# KiCad board helios-panel.kicad_pcb
title: Helios; date: 2022-09-17; rev: rev1.0; company: 0xCB; note: Conor Burns
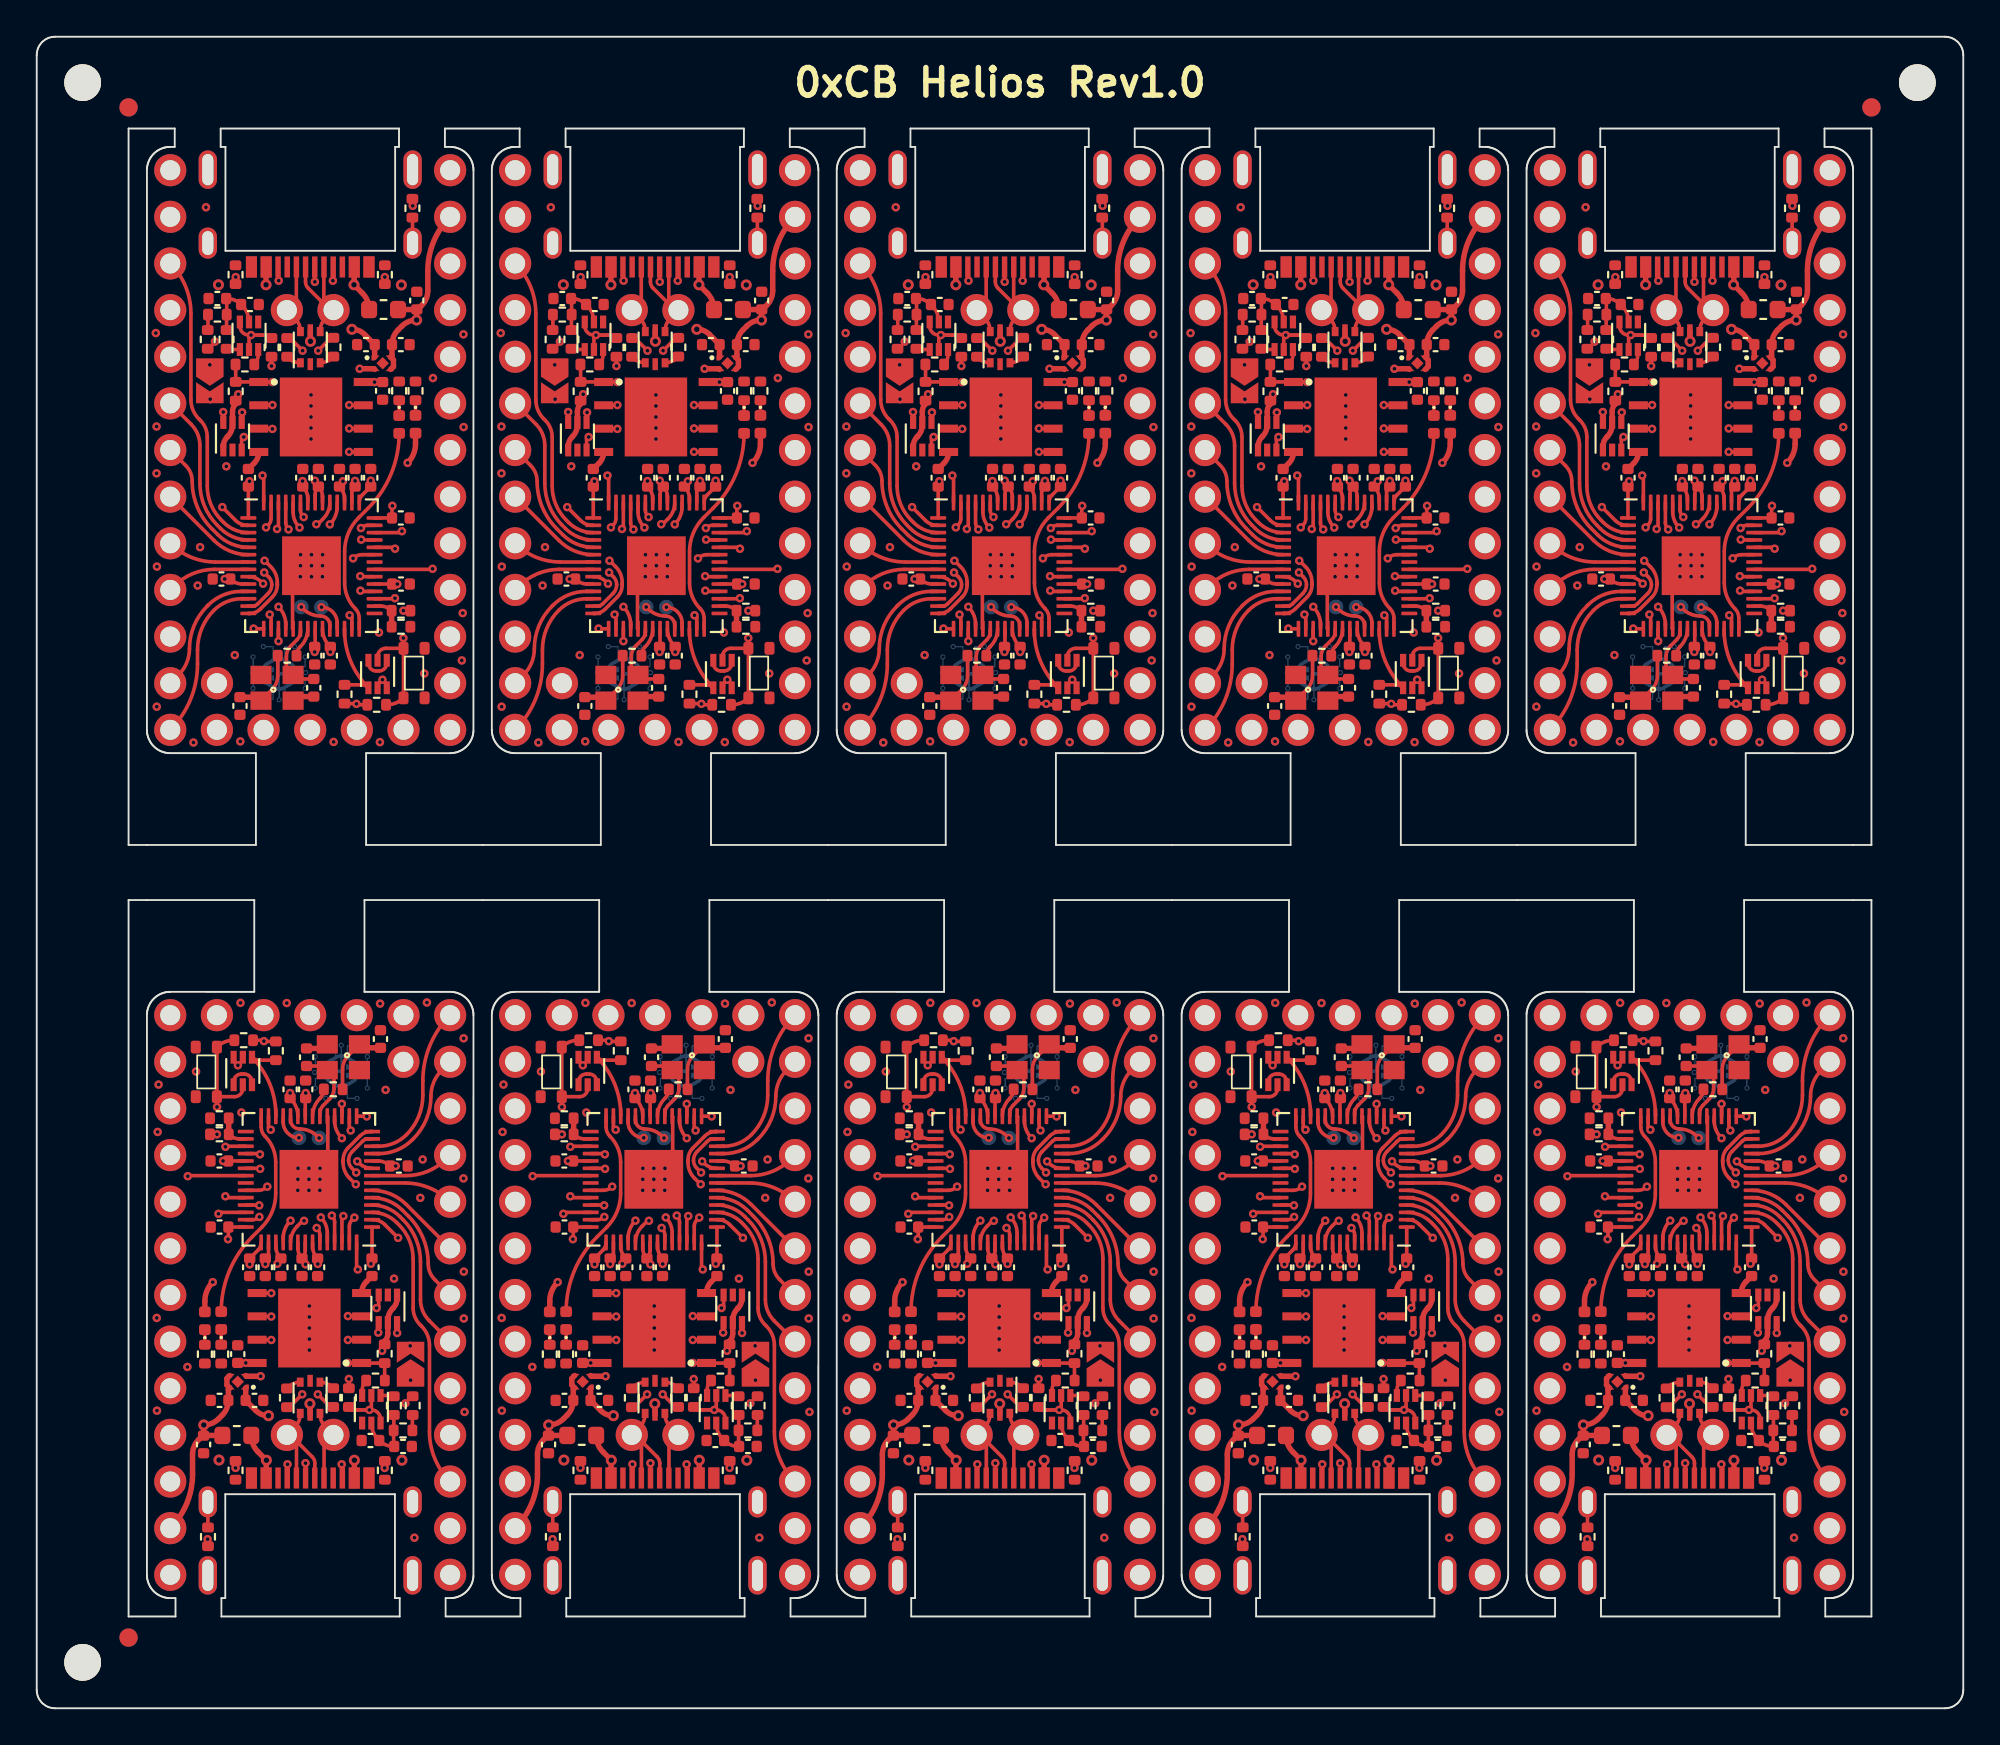
[diagram p0: board, top side]
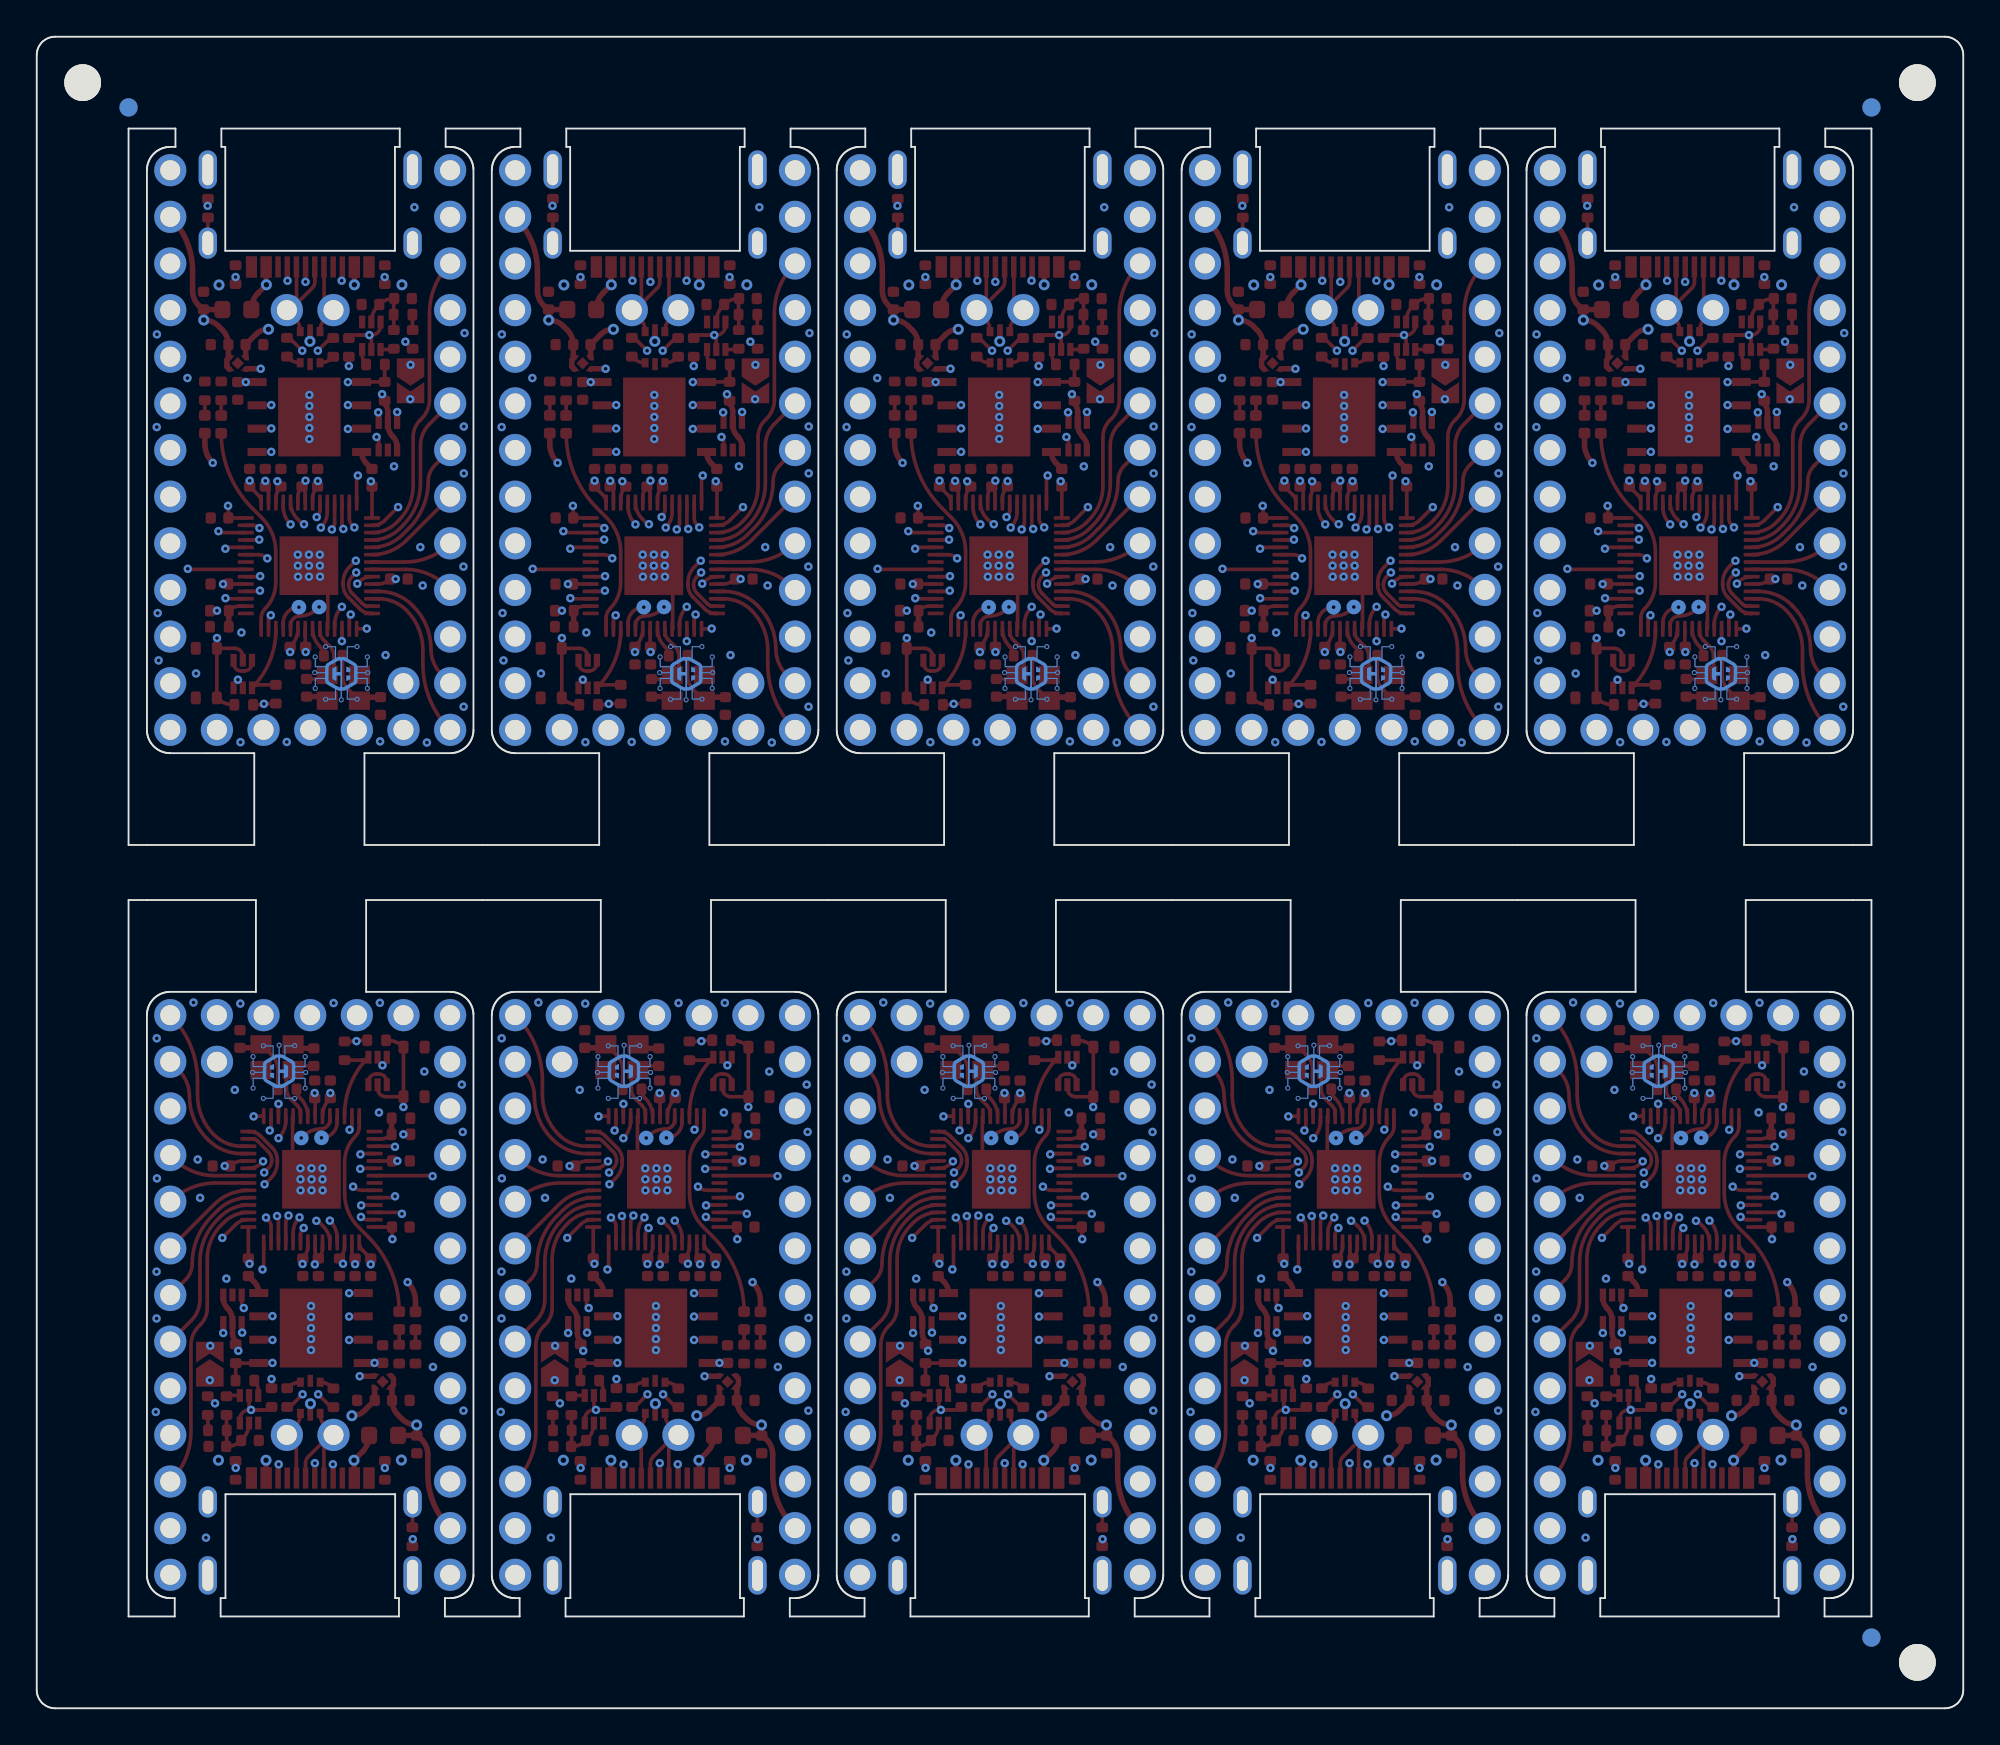
[diagram p1: board, bottom side, seen from below]

Outline 104.9 x 91.04 mm; copper layers: Top, In1.Cu, In2.Cu, Bottom. Coordinates in mm from the lower left corner of the outline.
Outline path: 0,90.04 0,1 0,0.9 0.02,0.8 0.04,0.71 0.08,0.62 0.12,0.53 0.17,0.44 0.23,0.37 0.29,0.29 0.37,0.23 0.44,0.17 0.53,0.12 0.62,0.08 0.71,0.04 0.8,0.02 0.9,0 1,0 103.9,0 104,0 104.1,0.02 104.19,0.04 104.28,0.08 104.37,0.12 104.46,0.17 104.53,0.23 104.61,0.29 104.67,0.37 104.73,0.44 104.78,0.53 104.82,0.62 104.86,0.71 104.88,0.8 104.9,0.9 104.9,1 104.9,90.04 104.9,90.14 104.88,90.24 104.86,90.33 104.82,90.42 104.78,90.51 104.73,90.6 104.67,90.67 104.61,90.75 104.53,90.81 104.46,90.87 104.37,90.92 104.28,90.96 104.19,91 104.1,91.02 104,91.04 103.9,91.04 1,91.04 0.9,91.04 0.8,91.02 0.71,91 0.62,90.96 0.53,90.92 0.44,90.87 0.37,90.81 0.29,90.75 0.23,90.67 0.17,90.6 0.12,90.51 0.08,90.42 0.04,90.33 0.02,90.24 0,90.14 0,90.04 ; 5,86.04 7.52,86.04 7.52,85.04 7.27,85.04 7.21,85.04 7.14,85.03 7.08,85.03 7.01,85.01 6.95,85 6.89,84.98 6.83,84.96 6.77,84.94 6.71,84.91 6.65,84.88 6.6,84.85 6.54,84.81 6.49,84.77 6.44,84.73 6.4,84.69 6.35,84.64 6.31,84.6 6.27,84.55 6.23,84.5 6.19,84.44 6.16,84.39 6.13,84.33 6.1,84.27 6.08,84.21 6.06,84.15 6.04,84.09 6.03,84.03 6.01,83.96 6.01,83.9 6,83.83 6,53.29 6,53.23 6.01,53.16 6.01,53.1 6.03,53.03 6.04,52.97 6.06,52.91 6.08,52.85 6.1,52.79 6.13,52.73 6.16,52.67 6.19,52.62 6.23,52.56 6.27,52.51 6.31,52.46 6.35,52.42 6.4,52.37 6.44,52.33 6.49,52.29 6.54,52.25 6.6,52.21 6.65,52.18 6.71,52.15 6.77,52.12 6.83,52.1 6.89,52.08 6.95,52.06 7.01,52.05 7.08,52.03 7.14,52.03 7.21,52.02 11.93,52.02 11.93,47.02 5,47.02 5,86.04 ; 5,44.02 11.84,44.02 11.84,39.02 7.27,39.02 7.21,39.02 7.14,39.01 7.08,39.01 7.01,38.99 6.95,38.98 6.89,38.96 6.83,38.94 6.77,38.92 6.71,38.89 6.65,38.86 6.6,38.83 6.54,38.79 6.49,38.75 6.44,38.71 6.4,38.67 6.35,38.62 6.31,38.58 6.27,38.53 6.23,38.48 6.19,38.42 6.16,38.37 6.13,38.31 6.1,38.25 6.08,38.19 6.06,38.13 6.04,38.07 6.03,38.01 6.01,37.94 6.01,37.88 6,37.81 6,7.27 6,7.21 6.01,7.14 6.01,7.08 6.03,7.01 6.04,6.95 6.06,6.89 6.08,6.83 6.1,6.77 6.13,6.71 6.16,6.65 6.19,6.6 6.23,6.54 6.27,6.49 6.31,6.44 6.35,6.4 6.4,6.35 6.44,6.31 6.49,6.27 6.54,6.23 6.6,6.19 6.65,6.16 6.71,6.13 6.77,6.1 6.83,6.08 6.89,6.06 6.95,6.04 7.01,6.03 7.08,6.01 7.14,6.01 7.21,6 7.55,6 7.55,5 5,5 5,44.02 ; 10.02,86.04 19.73,86.04 19.73,85.04 19.52,85.04 19.52,79.38 10.27,79.38 10.27,85.04 10.02,85.04 10.02,86.04 ; 10.05,6 10.27,6 10.27,11.66 19.51,11.66 19.51,6 19.77,6 19.77,5 10.05,5 10.05,6 ; 17.84,44.02 30.62,44.02 30.62,39.02 26.05,39.02 25.99,39.02 25.92,39.01 25.86,39.01 25.79,38.99 25.73,38.98 25.67,38.96 25.61,38.94 25.55,38.92 25.49,38.89 25.43,38.86 25.38,38.83 25.32,38.79 25.27,38.75 25.22,38.71 25.18,38.67 25.13,38.62 25.09,38.58 25.05,38.53 25.01,38.48 24.97,38.42 24.94,38.37 24.91,38.31 24.88,38.25 24.86,38.19 24.84,38.13 24.82,38.07 24.81,38.01 24.79,37.94 24.79,37.88 24.78,37.81 24.78,7.27 24.78,7.21 24.79,7.14 24.79,7.08 24.81,7.01 24.82,6.95 24.84,6.89 24.86,6.83 24.88,6.77 24.91,6.71 24.94,6.65 24.97,6.6 25.01,6.54 25.05,6.49 25.09,6.44 25.13,6.4 25.18,6.35 25.22,6.31 25.27,6.27 25.32,6.23 25.38,6.19 25.43,6.16 25.49,6.13 25.55,6.1 25.61,6.08 25.67,6.06 25.73,6.04 25.79,6.03 25.86,6.01 25.92,6.01 25.99,6 26.34,6 26.34,5 22.27,5 22.27,6 22.51,6 22.57,6 22.64,6.01 22.7,6.01 22.77,6.03 22.83,6.04 22.89,6.06 22.95,6.08 23.01,6.1 23.07,6.13 23.13,6.16 23.18,6.19 23.24,6.23 23.29,6.27 23.34,6.31 23.38,6.35 23.43,6.4 23.47,6.44 23.51,6.49 23.55,6.54 23.59,6.6 23.62,6.65 23.65,6.71 23.68,6.77 23.7,6.83 23.72,6.89 23.74,6.95 23.75,7.01 23.77,7.08 23.77,7.14 23.78,7.21 23.78,37.75 23.78,37.81 23.77,37.88 23.77,37.94 23.75,38.01 23.74,38.07 23.72,38.13 23.7,38.19 23.68,38.25 23.65,38.31 23.62,38.37 23.59,38.42 23.55,38.48 23.51,38.53 23.47,38.58 23.43,38.62 23.38,38.67 23.34,38.71 23.29,38.75 23.24,38.79 23.18,38.83 23.13,38.86 23.07,38.89 23.01,38.92 22.95,38.94 22.89,38.96 22.83,38.98 22.77,38.99 22.7,39.01 22.64,39.01 22.57,39.02 17.84,39.02 17.84,44.02 ; 17.94,52.02 22.51,52.02 22.57,52.02 22.64,52.03 22.7,52.03 22.77,52.05 22.83,52.06 22.89,52.08 22.95,52.1 23.01,52.12 23.07,52.15 23.13,52.18 23.18,52.21 23.24,52.25 23.29,52.29 23.34,52.33 23.38,52.37 23.43,52.42 23.47,52.46 23.51,52.51 23.55,52.56 23.59,52.62 23.62,52.67 23.65,52.73 23.68,52.79 23.7,52.85 23.72,52.91 23.74,52.97 23.75,53.03 23.77,53.1 23.77,53.16 23.78,53.23 23.78,83.77 23.78,83.83 23.77,83.9 23.77,83.96 23.75,84.03 23.74,84.09 23.72,84.15 23.7,84.21 23.68,84.27 23.65,84.33 23.62,84.39 23.59,84.44 23.55,84.5 23.51,84.55 23.47,84.6 23.43,84.64 23.38,84.69 23.34,84.73 23.29,84.77 23.24,84.81 23.18,84.85 23.13,84.88 23.07,84.91 23.01,84.94 22.95,84.96 22.89,84.98 22.83,85 22.77,85.01 22.7,85.03 22.64,85.03 22.57,85.04 22.23,85.04 22.23,86.04 26.3,86.04 26.3,85.04 26.05,85.04 25.99,85.04 25.92,85.03 25.86,85.03 25.79,85.01 25.73,85 25.67,84.98 25.61,84.96 25.55,84.94 25.49,84.91 25.43,84.88 25.38,84.85 25.32,84.81 25.27,84.77 25.22,84.73 25.18,84.69 25.13,84.64 25.09,84.6 25.05,84.55 25.01,84.5 24.97,84.44 24.94,84.39 24.91,84.33 24.88,84.27 24.86,84.21 24.84,84.15 24.82,84.09 24.81,84.03 24.79,83.96 24.79,83.9 24.78,83.83 24.78,53.29 24.78,53.23 24.79,53.16 24.79,53.1 24.81,53.03 24.82,52.97 24.84,52.91 24.86,52.85 24.88,52.79 24.91,52.73 24.94,52.67 24.97,52.62 25.01,52.56 25.05,52.51 25.09,52.46 25.13,52.42 25.18,52.37 25.22,52.33 25.27,52.29 25.32,52.25 25.38,52.21 25.43,52.18 25.49,52.15 25.55,52.12 25.61,52.1 25.67,52.08 25.73,52.06 25.79,52.05 25.86,52.03 25.92,52.03 25.99,52.02 30.72,52.02 30.72,47.02 17.94,47.02 17.94,52.02 ; 28.8,86.04 38.51,86.04 38.51,85.04 38.3,85.04 38.3,79.38 29.05,79.38 29.05,85.04 28.8,85.04 28.8,86.04 ; 28.84,6 29.05,6 29.05,11.66 38.28,11.66 38.28,6 38.55,6 38.55,5 28.84,5 28.84,6 ; 36.62,44.02 49.41,44.02 49.41,39.02 44.83,39.02 44.77,39.02 44.7,39.01 44.64,39.01 44.57,38.99 44.51,38.98 44.45,38.96 44.39,38.94 44.33,38.92 44.27,38.89 44.21,38.86 44.16,38.83 44.1,38.79 44.05,38.75 44,38.71 43.96,38.67 43.91,38.62 43.87,38.58 43.83,38.53 43.79,38.48 43.75,38.42 43.72,38.37 43.69,38.31 43.66,38.25 43.64,38.19 43.62,38.13 43.6,38.07 43.59,38.01 43.57,37.94 43.57,37.88 43.56,37.81 43.56,7.27 43.56,7.21 43.57,7.14 43.57,7.08 43.59,7.01 43.6,6.95 43.62,6.89 43.64,6.83 43.66,6.77 43.69,6.71 43.72,6.65 43.75,6.6 43.79,6.54 43.83,6.49 43.87,6.44 43.91,6.4 43.96,6.35 44,6.31 44.05,6.27 44.1,6.23 44.16,6.19 44.21,6.16 44.27,6.13 44.33,6.1 44.39,6.08 44.45,6.06 44.51,6.04 44.57,6.03 44.64,6.01 44.7,6.01 44.77,6 45.12,6 45.12,5 41.05,5 41.05,6 41.29,6 41.35,6 41.42,6.01 41.48,6.01 41.55,6.03 41.61,6.04 41.67,6.06 41.73,6.08 41.79,6.1 41.85,6.13 41.91,6.16 41.96,6.19 42.02,6.23 42.07,6.27 42.12,6.31 42.16,6.35 42.21,6.4 42.25,6.44 42.29,6.49 42.33,6.54 42.37,6.6 42.4,6.65 42.43,6.71 42.46,6.77 42.48,6.83 42.5,6.89 42.52,6.95 42.53,7.01 42.55,7.08 42.55,7.14 42.56,7.21 42.56,37.75 42.56,37.81 42.55,37.88 42.55,37.94 42.53,38.01 42.52,38.07 42.5,38.13 42.48,38.19 42.46,38.25 42.43,38.31 42.4,38.37 42.37,38.42 42.33,38.48 42.29,38.53 42.25,38.58 42.21,38.62 42.16,38.67 42.12,38.71 42.07,38.75 42.02,38.79 41.96,38.83 41.91,38.86 41.85,38.89 41.79,38.92 41.73,38.94 41.67,38.96 41.61,38.98 41.55,38.99 41.48,39.01 41.42,39.01 41.35,39.02 36.62,39.02 36.62,44.02 ; 36.72,52.02 41.29,52.02 41.35,52.02 41.42,52.03 41.48,52.03 41.55,52.05 41.61,52.06 41.67,52.08 41.73,52.1 41.79,52.12 41.85,52.15 41.91,52.18 41.96,52.21 42.02,52.25 42.07,52.29 42.12,52.33 42.16,52.37 42.21,52.42 42.25,52.46 42.29,52.51 42.33,52.56 42.37,52.62 42.4,52.67 42.43,52.73 42.46,52.79 42.48,52.85 42.5,52.91 42.52,52.97 42.53,53.03 42.55,53.1 42.55,53.16 42.56,53.23 42.56,83.77 42.56,83.83 42.55,83.9 42.55,83.96 42.53,84.03 42.52,84.09 42.5,84.15 42.48,84.21 42.46,84.27 42.43,84.33 42.4,84.39 42.37,84.44 42.33,84.5 42.29,84.55 42.25,84.6 42.21,84.64 42.16,84.69 42.12,84.73 42.07,84.77 42.02,84.81 41.96,84.85 41.91,84.88 41.85,84.91 41.79,84.94 41.73,84.96 41.67,84.98 41.61,85 41.55,85.01 41.48,85.03 41.42,85.03 41.35,85.04 41.01,85.04 41.01,86.04 45.08,86.04 45.08,85.04 44.83,85.04 44.77,85.04 44.7,85.03 44.64,85.03 44.57,85.01 44.51,85 44.45,84.98 44.39,84.96 44.33,84.94 44.27,84.91 44.21,84.88 44.16,84.85 44.1,84.81 44.05,84.77 44,84.73 43.96,84.69 43.91,84.64 43.87,84.6 43.83,84.55 43.79,84.5 43.75,84.44 43.72,84.39 43.69,84.33 43.66,84.27 43.64,84.21 43.62,84.15 43.6,84.09 43.59,84.03 43.57,83.96 43.57,83.9 43.56,83.83 43.56,53.29 43.56,53.23 43.57,53.16 43.57,53.1 43.59,53.03 43.6,52.97 43.62,52.91 43.64,52.85 43.66,52.79 43.69,52.73 43.72,52.67 43.75,52.62 43.79,52.56 43.83,52.51 43.87,52.46 43.91,52.42 43.96,52.37 44,52.33 44.05,52.29 44.1,52.25 44.16,52.21 44.21,52.18 44.27,52.15 44.33,52.12 44.39,52.1 44.45,52.08 44.51,52.06 44.57,52.05 44.64,52.03 44.7,52.03 44.77,52.02 49.5,52.02 49.5,47.02 36.72,47.02 36.72,52.02 ; 47.58,86.04 57.28,86.04 57.28,85.04 57.08,85.04 57.08,79.38 47.84,79.38 47.84,85.04 47.58,85.04 47.58,86.04 ; 47.62,6 47.83,6 47.83,11.66 57.06,11.66 57.06,6 57.33,6 57.33,5 47.62,5 47.62,6 ; 55.41,44.02 68.19,44.02 68.19,39.02 63.61,39.02 63.55,39.02 63.48,39.01 63.42,39.01 63.35,38.99 63.29,38.98 63.23,38.96 63.17,38.94 63.11,38.92 63.05,38.89 62.99,38.86 62.94,38.83 62.88,38.79 62.83,38.75 62.78,38.71 62.74,38.67 62.69,38.62 62.65,38.58 62.61,38.53 62.57,38.48 62.53,38.42 62.5,38.37 62.47,38.31 62.44,38.25 62.42,38.19 62.4,38.13 62.38,38.07 62.37,38.01 62.35,37.94 62.35,37.88 62.34,37.81 62.34,7.27 62.34,7.21 62.35,7.14 62.35,7.08 62.37,7.01 62.38,6.95 62.4,6.89 62.42,6.83 62.44,6.77 62.47,6.71 62.5,6.65 62.53,6.6 62.57,6.54 62.61,6.49 62.65,6.44 62.69,6.4 62.74,6.35 62.78,6.31 62.83,6.27 62.88,6.23 62.94,6.19 62.99,6.16 63.05,6.13 63.11,6.1 63.17,6.08 63.23,6.06 63.29,6.04 63.35,6.03 63.42,6.01 63.48,6.01 63.55,6 63.89,6 63.89,5 59.83,5 59.83,6 60.07,6 60.13,6 60.2,6.01 60.26,6.01 60.33,6.03 60.39,6.04 60.45,6.06 60.51,6.08 60.57,6.1 60.63,6.13 60.69,6.16 60.74,6.19 60.8,6.23 60.85,6.27 60.9,6.31 60.94,6.35 60.99,6.4 61.03,6.44 61.07,6.49 61.11,6.54 61.15,6.6 61.18,6.65 61.21,6.71 61.24,6.77 61.26,6.83 61.28,6.89 61.3,6.95 61.31,7.01 61.33,7.08 61.33,7.14 61.34,7.21 61.34,37.75 61.34,37.81 61.33,37.88 61.33,37.94 61.31,38.01 61.3,38.07 61.28,38.13 61.26,38.19 61.24,38.25 61.21,38.31 61.18,38.37 61.15,38.42 61.11,38.48 61.07,38.53 61.03,38.58 60.99,38.62 60.94,38.67 60.9,38.71 60.85,38.75 60.8,38.79 60.74,38.83 60.69,38.86 60.63,38.89 60.57,38.92 60.51,38.94 60.45,38.96 60.39,38.98 60.33,38.99 60.26,39.01 60.2,39.01 60.13,39.02 55.41,39.02 55.41,44.02 ; 55.5,52.02 60.07,52.02 60.13,52.02 60.2,52.03 60.26,52.03 60.33,52.05 60.39,52.06 60.45,52.08 60.51,52.1 60.57,52.12 60.63,52.15 60.69,52.18 60.74,52.21 60.8,52.25 60.85,52.29 60.9,52.33 60.94,52.37 60.99,52.42 61.03,52.46 61.07,52.51 61.11,52.56 61.15,52.62 61.18,52.67 61.21,52.73 61.24,52.79 61.26,52.85 61.28,52.91 61.3,52.97 61.31,53.03 61.33,53.1 61.33,53.16 61.34,53.23 61.34,83.77 61.34,83.83 61.33,83.9 61.33,83.96 61.31,84.03 61.3,84.09 61.28,84.15 61.26,84.21 61.24,84.27 61.21,84.33 61.18,84.39 61.15,84.44 61.11,84.5 61.07,84.55 61.03,84.6 60.99,84.64 60.94,84.69 60.9,84.73 60.85,84.77 60.8,84.81 60.74,84.85 60.69,84.88 60.63,84.91 60.57,84.94 60.51,84.96 60.45,84.98 60.39,85 60.33,85.01 60.26,85.03 60.2,85.03 60.13,85.04 59.78,85.04 59.78,86.04 63.86,86.04 63.86,85.04 63.61,85.04 63.55,85.04 63.48,85.03 63.42,85.03 63.35,85.01 63.29,85 63.23,84.98 63.17,84.96 63.11,84.94 63.05,84.91 62.99,84.88 62.94,84.85 62.88,84.81 62.83,84.77 62.78,84.73 62.74,84.69 62.69,84.64 62.65,84.6 62.61,84.55 62.57,84.5 62.53,84.44 62.5,84.39 62.47,84.33 62.44,84.27 62.42,84.21 62.4,84.15 62.38,84.09 62.37,84.03 62.35,83.96 62.35,83.9 62.34,83.83 62.34,53.29 62.34,53.23 62.35,53.16 62.35,53.1 62.37,53.03 62.38,52.97 62.4,52.91 62.42,52.85 62.44,52.79 62.47,52.73 62.5,52.67 62.53,52.62 62.57,52.56 62.61,52.51 62.65,52.46 62.69,52.42 62.74,52.37 62.78,52.33 62.83,52.29 62.88,52.25 62.94,52.21 62.99,52.18 63.05,52.15 63.11,52.12 63.17,52.1 63.23,52.08 63.29,52.06 63.35,52.05 63.42,52.03 63.48,52.03 63.55,52.02 68.28,52.02 68.28,47.02 55.5,47.02 55.5,52.02 ; 66.36,86.04 76.06,86.04 76.06,85.04 75.86,85.04 75.86,79.38 66.61,79.38 66.61,85.04 66.36,85.04 66.36,86.04 ; 66.39,6 66.61,6 66.61,11.66 75.84,11.66 75.84,6 76.11,6 76.11,5 66.39,5 66.39,6 ; 74.19,44.02 86.97,44.02 86.97,39.02 82.39,39.02 82.33,39.02 82.26,39.01 82.2,39.01 82.13,38.99 82.07,38.98 82.01,38.96 81.95,38.94 81.89,38.92 81.83,38.89 81.77,38.86 81.72,38.83 81.66,38.79 81.61,38.75 81.56,38.71 81.52,38.67 81.47,38.62 81.43,38.58 81.39,38.53 81.35,38.48 81.31,38.42 81.28,38.37 81.25,38.31 81.22,38.25 81.2,38.19 81.18,38.13 81.16,38.07 81.15,38.01 81.13,37.94 81.13,37.88 81.12,37.81 81.12,7.27 81.12,7.21 81.13,7.14 81.13,7.08 81.15,7.01 81.16,6.95 81.18,6.89 81.2,6.83 81.22,6.77 81.25,6.71 81.28,6.65 81.31,6.6 81.35,6.54 81.39,6.49 81.43,6.44 81.47,6.4 81.52,6.35 81.56,6.31 81.61,6.27 81.66,6.23 81.72,6.19 81.77,6.16 81.83,6.13 81.89,6.1 81.95,6.08 82.01,6.06 82.07,6.04 82.13,6.03 82.2,6.01 82.26,6.01 82.33,6 82.67,6 82.67,5 78.61,5 78.61,6 78.85,6 78.91,6 78.98,6.01 79.04,6.01 79.11,6.03 79.17,6.04 79.23,6.06 79.29,6.08 79.35,6.1 79.41,6.13 79.47,6.16 79.52,6.19 79.58,6.23 79.63,6.27 79.68,6.31 79.72,6.35 79.77,6.4 79.81,6.44 79.85,6.49 79.89,6.54 79.93,6.6 79.96,6.65 79.99,6.71 80.02,6.77 80.04,6.83 80.06,6.89 80.08,6.95 80.09,7.01 80.11,7.08 80.11,7.14 80.12,7.21 80.12,37.75 80.12,37.81 80.11,37.88 80.11,37.94 80.09,38.01 80.08,38.07 80.06,38.13 80.04,38.19 80.02,38.25 79.99,38.31 79.96,38.37 79.93,38.42 79.89,38.48 79.85,38.53 79.81,38.58 79.77,38.62 79.72,38.67 79.68,38.71 79.63,38.75 79.58,38.79 79.52,38.83 79.47,38.86 79.41,38.89 79.35,38.92 79.29,38.94 79.23,38.96 79.17,38.98 79.11,38.99 79.04,39.01 78.98,39.01 78.91,39.02 74.19,39.02 74.19,44.02 ; 74.28,52.02 78.85,52.02 78.91,52.02 78.98,52.03 79.04,52.03 79.11,52.05 79.17,52.06 79.23,52.08 79.29,52.1 79.35,52.12 79.41,52.15 79.47,52.18 79.52,52.21 79.58,52.25 79.63,52.29 79.68,52.33 79.72,52.37 79.77,52.42 79.81,52.46 79.85,52.51 79.89,52.56 79.93,52.62 79.96,52.67 79.99,52.73 80.02,52.79 80.04,52.85 80.06,52.91 80.08,52.97 80.09,53.03 80.11,53.1 80.11,53.16 80.12,53.23 80.12,83.77 80.12,83.83 80.11,83.9 80.11,83.96 80.09,84.03 80.08,84.09 80.06,84.15 80.04,84.21 80.02,84.27 79.99,84.33 79.96,84.39 79.93,84.44 79.89,84.5 79.85,84.55 79.81,84.6 79.77,84.64 79.72,84.69 79.68,84.73 79.63,84.77 79.58,84.81 79.52,84.85 79.47,84.88 79.41,84.91 79.35,84.94 79.29,84.96 79.23,84.98 79.17,85 79.11,85.01 79.04,85.03 78.98,85.03 78.91,85.04 78.56,85.04 78.56,86.04 82.64,86.04 82.64,85.04 82.39,85.04 82.33,85.04 82.26,85.03 82.2,85.03 82.13,85.01 82.07,85 82.01,84.98 81.95,84.96 81.89,84.94 81.83,84.91 81.77,84.88 81.72,84.85 81.66,84.81 81.61,84.77 81.56,84.73 81.52,84.69 81.47,84.64 81.43,84.6 81.39,84.55 81.35,84.5 81.31,84.44 81.28,84.39 81.25,84.33 81.22,84.27 81.2,84.21 81.18,84.15 81.16,84.09 81.15,84.03 81.13,83.96 81.13,83.9 81.12,83.83 81.12,53.29 81.12,53.23 81.13,53.16 81.13,53.1 81.15,53.03 81.16,52.97 81.18,52.91 81.2,52.85 81.22,52.79 81.25,52.73 81.28,52.67 81.31,52.62 81.35,52.56 81.39,52.51 81.43,52.46 81.47,52.42 81.52,52.37 81.56,52.33 81.61,52.29 81.66,52.25 81.72,52.21 81.77,52.18 81.83,52.15 81.89,52.12 81.95,52.1 82.01,52.08 82.07,52.06 82.13,52.05 82.2,52.03 82.26,52.03 82.33,52.02 87.06,52.02 87.06,47.02 74.28,47.02 74.28,52.02 ; 85.14,86.04 94.84,86.04 94.84,85.04 94.64,85.04 94.64,79.38 85.39,79.38 85.39,85.04 85.14,85.04 85.14,86.04 ; 85.17,6 85.39,6 85.39,11.66 94.62,11.66 94.62,6 94.89,6 94.89,5 85.17,5 85.17,6 ; 92.97,44.02 99.9,44.02 99.9,5 97.39,5 97.39,6 97.63,6 97.69,6 97.76,6.01 97.82,6.01 97.89,6.03 97.95,6.04 98.01,6.06 98.07,6.08 98.13,6.1 98.19,6.13 98.25,6.16 98.3,6.19 98.36,6.23 98.41,6.27 98.46,6.31 98.5,6.35 98.55,6.4 98.59,6.44 98.63,6.49 98.67,6.54 98.71,6.6 98.74,6.65 98.77,6.71 98.8,6.77 98.82,6.83 98.84,6.89 98.86,6.95 98.87,7.01 98.89,7.08 98.89,7.14 98.9,7.21 98.9,37.75 98.9,37.81 98.89,37.88 98.89,37.94 98.87,38.01 98.86,38.07 98.84,38.13 98.82,38.19 98.8,38.25 98.77,38.31 98.74,38.37 98.71,38.42 98.67,38.48 98.63,38.53 98.59,38.58 98.55,38.62 98.5,38.67 98.46,38.71 98.41,38.75 98.36,38.79 98.3,38.83 98.25,38.86 98.19,38.89 98.13,38.92 98.07,38.94 98.01,38.96 97.95,38.98 97.89,38.99 97.82,39.01 97.76,39.01 97.69,39.02 92.97,39.02 92.97,44.02 ; 93.06,52.02 97.63,52.02 97.69,52.02 97.76,52.03 97.82,52.03 97.89,52.05 97.95,52.06 98.01,52.08 98.07,52.1 98.13,52.12 98.19,52.15 98.25,52.18 98.3,52.21 98.36,52.25 98.41,52.29 98.46,52.33 98.5,52.37 98.55,52.42 98.59,52.46 98.63,52.51 98.67,52.56 98.71,52.62 98.74,52.67 98.77,52.73 98.8,52.79 98.82,52.85 98.84,52.91 98.86,52.97 98.87,53.03 98.89,53.1 98.89,53.16 98.9,53.23 98.9,83.77 98.9,83.83 98.89,83.9 98.89,83.96 98.87,84.03 98.86,84.09 98.84,84.15 98.82,84.21 98.8,84.27 98.77,84.33 98.74,84.39 98.71,84.44 98.67,84.5 98.63,84.55 98.59,84.6 98.55,84.64 98.5,84.69 98.46,84.73 98.41,84.77 98.36,84.81 98.3,84.85 98.25,84.88 98.19,84.91 98.13,84.94 98.07,84.96 98.01,84.98 97.95,85 97.89,85.01 97.82,85.03 97.76,85.03 97.69,85.04 97.34,85.04 97.34,86.04 99.9,86.04 99.9,47.02 93.06,47.02 93.06,52.02
Stack: Top 0.035mm / dielectric 0.2104mm 7628*1 er 4.5 / In1.Cu 0.0152mm / dielectric 1.065mm FR4 er 4.5 / In2.Cu 0.0152mm / dielectric 0.2104mm 7628*1 er 4.5 / Bottom 0.035mm

## Placement (name value [footprint] x y rotation side)
C1  4u7  [C_0402_1005Metric]  95.06 14.26 0 top
C1#2  4u7  [C_0402_1005Metric]  19.95 14.26 0 top
C1#3  4u7  [C_0402_1005Metric]  38.73 14.26 0 top
C1#4  4u7  [C_0402_1005Metric]  57.5 14.26 0 top
C1#5  4u7  [C_0402_1005Metric]  66.17 76.78 180 top
C1#6  4u7  [C_0402_1005Metric]  76.28 14.26 0 top
C1#7  4u7  [C_0402_1005Metric]  47.4 76.78 180 top
C1#8  4u7  [C_0402_1005Metric]  84.95 76.78 180 top
C1#9  4u7  [C_0402_1005Metric]  28.62 76.78 180 top
C1#10  4u7  [C_0402_1005Metric]  9.84 76.78 180 top
C2  10u  [C_0402_1005Metric]  86.73 76.46 0 top
C2#2  10u  [C_0402_1005Metric]  49.17 76.46 0 top
C2#3  10u  [C_0402_1005Metric]  36.95 14.59 180 top
C2#4  10u  [C_0402_1005Metric]  18.17 14.59 180 top
C2#5  10u  [C_0402_1005Metric]  74.51 14.59 180 top
C2#6  10u  [C_0402_1005Metric]  11.61 76.46 0 top
C2#7  10u  [C_0402_1005Metric]  93.29 14.59 180 top
C2#8  10u  [C_0402_1005Metric]  67.95 76.46 0 top
C2#9  10u  [C_0402_1005Metric]  55.73 14.59 180 top
C2#10  10u  [C_0402_1005Metric]  30.39 76.46 0 top
C3  10u  [C_0402_1005Metric]  9.09 14.37 270 top
C3#2  10u  [C_0402_1005Metric]  27.87 14.37 270 top
C3#3  10u  [C_0402_1005Metric]  39.48 76.67 90 top
C3#4  10u  [C_0402_1005Metric]  95.81 76.67 90 top
C3#5  10u  [C_0402_1005Metric]  77.03 76.67 90 top
C3#6  10u  [C_0402_1005Metric]  46.65 14.37 270 top
C3#7  10u  [C_0402_1005Metric]  84.2 14.37 270 top
C3#8  10u  [C_0402_1005Metric]  20.7 76.67 90 top
C3#9  10u  [C_0402_1005Metric]  65.42 14.37 270 top
C3#10  10u  [C_0402_1005Metric]  58.25 76.67 90 top
C4  10u  [C_0402_1005Metric]  94.94 74.27 0 top
C4#2  10u  [C_0402_1005Metric]  57.39 74.27 0 top
C4#3  10u  [C_0402_1005Metric]  28.73 16.77 180 top
C4#4  10u  [C_0402_1005Metric]  38.6 74.27 0 top
C4#5  10u  [C_0402_1005Metric]  66.3 16.77 180 top
C4#6  10u  [C_0402_1005Metric]  9.95 16.77 180 top
C4#7  10u  [C_0402_1005Metric]  47.52 16.77 180 top
C4#8  10u  [C_0402_1005Metric]  76.17 74.27 0 top
C4#9  10u  [C_0402_1005Metric]  85.08 16.77 180 top
C4#10  10u  [C_0402_1005Metric]  19.83 74.27 0 top
C5  10u  [C_0402_1005Metric]  93.05 74.27 180 top
C5#2  10u  [C_0402_1005Metric]  86.97 16.77 0 top
C5#3  10u  [C_0402_1005Metric]  30.63 16.77 0 top
C5#4  10u  [C_0402_1005Metric]  55.48 74.27 180 top
C5#5  10u  [C_0402_1005Metric]  49.42 16.77 0 top
C5#6  10u  [C_0402_1005Metric]  68.19 16.77 0 top
C5#7  10u  [C_0402_1005Metric]  36.7 74.27 180 top
C5#8  10u  [C_0402_1005Metric]  17.92 74.27 180 top
C5#9  10u  [C_0402_1005Metric]  74.27 74.27 180 top
C5#10  10u  [C_0402_1005Metric]  11.86 16.77 0 top
C6  100n  [C_0402_1005Metric]  75.17 71.75 270 top
C6#2  100n  [C_0402_1005Metric]  86.06 19.29 90 top
C6#3  100n  [C_0402_1005Metric]  29.73 19.29 90 top
C6#4  100n  [C_0402_1005Metric]  37.62 71.75 270 top
C6#5  100n  [C_0402_1005Metric]  10.95 19.29 90 top
C6#6  100n  [C_0402_1005Metric]  56.39 71.75 270 top
C6#7  100n  [C_0402_1005Metric]  67.28 19.29 90 top
C6#8  100n  [C_0402_1005Metric]  48.51 19.29 90 top
C6#9  100n  [C_0402_1005Metric]  18.84 71.75 270 top
C6#10  100n  [C_0402_1005Metric]  93.95 71.75 270 top
C7  15p  [C_0402_1005Metric]  15.09 55.58 90 top
C7#2  15p  [C_0402_1005Metric]  71.03 35.46 270 top
C7#3  15p  [C_0402_1005Metric]  33.87 55.58 90 top
C7#4  15p  [C_0402_1005Metric]  90.2 55.58 90 top
C7#5  15p  [C_0402_1005Metric]  89.81 35.46 270 top
C7#6  15p  [C_0402_1005Metric]  14.7 35.46 270 top
C7#7  15p  [C_0402_1005Metric]  52.64 55.58 90 top
C7#8  15p  [C_0402_1005Metric]  33.48 35.46 270 top
C7#9  15p  [C_0402_1005Metric]  52.25 35.46 270 top
C7#10  15p  [C_0402_1005Metric]  71.42 55.58 90 top
C8  15p  [C_0402_1005Metric]  75.06 36.45 270 top
C8#2  15p  [C_0402_1005Metric]  56.28 36.45 270 top
C8#3  15p  [C_0402_1005Metric]  86.19 54.59 90 top
C8#4  15p  [C_0402_1005Metric]  29.84 54.59 90 top
C8#5  15p  [C_0402_1005Metric]  93.83 36.45 270 top
C8#6  15p  [C_0402_1005Metric]  11.07 54.59 90 top
C8#7  15p  [C_0402_1005Metric]  37.49 36.45 270 top
C8#8  15p  [C_0402_1005Metric]  48.62 54.59 90 top
C8#9  15p  [C_0402_1005Metric]  67.41 54.59 90 top
C8#10  15p  [C_0402_1005Metric]  18.72 36.45 270 top
C9  1u  [C_0402_1005Metric]  31.23 24.02 90 top
C9#2  1u  [C_0402_1005Metric]  36.12 67.02 270 top
C9#3  1u  [C_0402_1005Metric]  12.45 24.02 90 top
C9#4  1u  [C_0402_1005Metric]  92.45 67.02 270 top
C9#5  1u  [C_0402_1005Metric]  87.56 24.02 90 top
C9#6  1u  [C_0402_1005Metric]  68.78 24.02 90 top
C9#7  1u  [C_0402_1005Metric]  50 24.02 90 top
C9#8  1u  [C_0402_1005Metric]  17.34 67.02 270 top
C9#9  1u  [C_0402_1005Metric]  54.89 67.02 270 top
C9#10  1u  [C_0402_1005Metric]  73.67 67.02 270 top
C10  1u  [C_0402_1005Metric]  69.64 24.02 90 top
C10#2  1u  [C_0402_1005Metric]  16.48 67.02 270 top
C10#3  1u  [C_0402_1005Metric]  91.61 67.02 270 top
C10#4  1u  [C_0402_1005Metric]  54.05 67.02 270 top
C10#5  1u  [C_0402_1005Metric]  50.86 24.02 90 top
C10#6  1u  [C_0402_1005Metric]  35.27 67.02 270 top
C10#7  1u  [C_0402_1005Metric]  13.3 24.02 90 top
C10#8  1u  [C_0402_1005Metric]  72.83 67.02 270 top
C10#9  1u  [C_0402_1005Metric]  32.08 24.02 90 top
C10#10  1u  [C_0402_1005Metric]  88.42 24.02 90 top
C11  100n  [C_0402_1005Metric]  70.98 33.71 90 top
C11#2  100n  [C_0402_1005Metric]  52.2 33.71 90 top
C11#3  100n  [C_0402_1005Metric]  90.25 57.33 270 top
C11#4  100n  [C_0402_1005Metric]  33.91 57.33 270 top
C11#5  100n  [C_0402_1005Metric]  71.47 57.33 270 top
C11#6  100n  [C_0402_1005Metric]  52.69 57.33 270 top
C11#7  100n  [C_0402_1005Metric]  33.42 33.71 90 top
C11#8  100n  [C_0402_1005Metric]  89.77 33.71 90 top
C11#9  100n  [C_0402_1005Metric]  14.64 33.71 90 top
C11#10  100n  [C_0402_1005Metric]  15.14 57.33 270 top
C12  100n  [C_0402_1005Metric]  47.51 29.81 180 top
C12#2  100n  [C_0402_1005Metric]  19.84 61.23 0 top
C12#3  100n  [C_0402_1005Metric]  94.95 61.23 0 top
C12#4  100n  [C_0402_1005Metric]  85.06 29.81 180 top
C12#5  100n  [C_0402_1005Metric]  9.95 29.81 180 top
C12#6  100n  [C_0402_1005Metric]  28.73 29.81 180 top
C12#7  100n  [C_0402_1005Metric]  38.62 61.23 0 top
C12#8  100n  [C_0402_1005Metric]  76.17 61.23 0 top
C12#9  100n  [C_0402_1005Metric]  57.39 61.23 0 top
C12#10  100n  [C_0402_1005Metric]  66.28 29.81 180 top
C13  100n  [C_0402_1005Metric]  38.6 64.83 0 top
C13#2  100n  [C_0402_1005Metric]  94.94 64.83 0 top
C13#3  100n  [C_0402_1005Metric]  76.17 64.83 0 top
C13#4  100n  [C_0402_1005Metric]  19.83 64.83 0 top
C13#5  100n  [C_0402_1005Metric]  66.3 26.21 180 top
C13#6  100n  [C_0402_1005Metric]  9.95 26.21 180 top
C13#7  100n  [C_0402_1005Metric]  28.73 26.21 180 top
C13#8  100n  [C_0402_1005Metric]  47.52 26.21 180 top
C13#9  100n  [C_0402_1005Metric]  57.39 64.83 0 top
C13#10  100n  [C_0402_1005Metric]  85.08 26.21 180 top
C14  100n  [C_0402_1005Metric]  71.67 67.02 90 top
C14#2  100n  [C_0402_1005Metric]  52 24.02 270 top
C14#3  100n  [C_0402_1005Metric]  90.45 67.02 90 top
C14#4  100n  [C_0402_1005Metric]  52.89 67.02 90 top
C14#5  100n  [C_0402_1005Metric]  33.23 24.02 270 top
C14#6  100n  [C_0402_1005Metric]  15.34 67.02 90 top
C14#7  100n  [C_0402_1005Metric]  70.78 24.02 270 top
C14#8  100n  [C_0402_1005Metric]  14.45 24.02 270 top
C14#9  100n  [C_0402_1005Metric]  34.12 67.02 90 top
C14#10  100n  [C_0402_1005Metric]  89.56 24.02 270 top
C15  100n  [C_0402_1005Metric]  94.84 29.54 0 top
C15#2  100n  [C_0402_1005Metric]  76.06 29.54 0 top
C15#3  100n  [C_0402_1005Metric]  10.06 61.51 180 top
C15#4  100n  [C_0402_1005Metric]  28.84 61.51 180 top
C15#5  100n  [C_0402_1005Metric]  85.18 61.51 180 top
C15#6  100n  [C_0402_1005Metric]  38.5 29.54 0 top
C15#7  100n  [C_0402_1005Metric]  57.28 29.54 0 top
C15#8  100n  [C_0402_1005Metric]  19.72 29.54 0 top
C15#9  100n  [C_0402_1005Metric]  47.62 61.51 180 top
C15#10  100n  [C_0402_1005Metric]  66.4 61.51 180 top
C16  100n  [C_0402_1005Metric]  67.86 67.02 90 top
C16#2  100n  [C_0402_1005Metric]  86.64 67.02 90 top
C16#3  100n  [C_0402_1005Metric]  55.81 24.02 270 top
C16#4  100n  [C_0402_1005Metric]  18.26 24.02 270 top
C16#5  100n  [C_0402_1005Metric]  37.03 24.02 270 top
C16#6  100n  [C_0402_1005Metric]  74.59 24.02 270 top
C16#7  100n  [C_0402_1005Metric]  93.38 24.02 270 top
C16#8  100n  [C_0402_1005Metric]  11.52 67.02 90 top
C16#9  100n  [C_0402_1005Metric]  49.08 67.02 90 top
C16#10  100n  [C_0402_1005Metric]  30.3 67.02 90 top
C17  100n  [C_0402_1005Metric]  34.08 24.02 270 top
C17#2  100n  [C_0402_1005Metric]  52.05 67.02 90 top
C17#3  100n  [C_0402_1005Metric]  70.83 67.02 90 top
C17#4  100n  [C_0402_1005Metric]  89.61 67.02 90 top
C17#5  100n  [C_0402_1005Metric]  33.27 67.02 90 top
C17#6  100n  [C_0402_1005Metric]  14.48 67.02 90 top
C17#7  100n  [C_0402_1005Metric]  90.42 24.02 270 top
C17#8  100n  [C_0402_1005Metric]  15.3 24.02 270 top
C17#9  100n  [C_0402_1005Metric]  52.86 24.02 270 top
C17#10  100n  [C_0402_1005Metric]  71.64 24.02 270 top
C18  100n  [C_0402_1005Metric]  18.19 67.02 90 top
C18#2  100n  [C_0402_1005Metric]  93.31 67.02 90 top
C18#3  100n  [C_0402_1005Metric]  30.38 24.02 270 top
C18#4  100n  [C_0402_1005Metric]  11.59 24.02 270 top
C18#5  100n  [C_0402_1005Metric]  55.75 67.02 90 top
C18#6  100n  [C_0402_1005Metric]  49.16 24.02 270 top
C18#7  100n  [C_0402_1005Metric]  67.94 24.02 270 top
C18#8  100n  [C_0402_1005Metric]  36.97 67.02 90 top
C18#9  100n  [C_0402_1005Metric]  74.53 67.02 90 top
C18#10  100n  [C_0402_1005Metric]  86.72 24.02 270 top
C19  100n  [C_0402_1005Metric]  70.14 33.71 90 top
C19#2  100n  [C_0402_1005Metric]  88.92 33.71 90 top
C19#3  100n  [C_0402_1005Metric]  15.98 57.33 270 top
C19#4  100n  [C_0402_1005Metric]  34.77 57.33 270 top
C19#5  100n  [C_0402_1005Metric]  91.11 57.33 270 top
C19#6  100n  [C_0402_1005Metric]  51.36 33.71 90 top
C19#7  100n  [C_0402_1005Metric]  32.58 33.71 90 top
C19#8  100n  [C_0402_1005Metric]  72.33 57.33 270 top
C19#9  100n  [C_0402_1005Metric]  13.8 33.71 90 top
C19#10  100n  [C_0402_1005Metric]  53.55 57.33 270 top
D1  Power LED  [D_0402_1005Metric]  58.19 69.93 270 top
D1#2  Power LED  [D_0402_1005Metric]  95.75 69.93 270 top
D1#3  Power LED  [D_0402_1005Metric]  76.97 69.93 270 top
D1#4  Power LED  [D_0402_1005Metric]  20.62 69.93 270 top
D1#5  Power LED  [D_0402_1005Metric]  27.94 21.11 90 top
D1#6  Power LED  [D_0402_1005Metric]  65.5 21.11 90 top
D1#7  Power LED  [D_0402_1005Metric]  39.41 69.93 270 top
D1#8  Power LED  [D_0402_1005Metric]  84.28 21.11 90 top
D1#9  Power LED  [D_0402_1005Metric]  46.72 21.11 90 top
D1#10  Power LED  [D_0402_1005Metric]  9.16 21.11 90 top
D2  User LED  [D_0402_1005Metric]  76.08 69.92 270 top
D2#2  User LED  [D_0402_1005Metric]  85.17 21.12 90 top
D2#3  User LED  [D_0402_1005Metric]  66.39 21.12 90 top
D2#4  User LED  [D_0402_1005Metric]  19.73 69.92 270 top
D2#5  User LED  [D_0402_1005Metric]  94.86 69.92 270 top
D2#6  User LED  [D_0402_1005Metric]  47.6 21.12 90 top
D2#7  User LED  [D_0402_1005Metric]  10.05 21.12 90 top
D2#8  User LED  [D_0402_1005Metric]  38.52 69.92 270 top
D2#9  User LED  [D_0402_1005Metric]  57.3 69.92 270 top
D2#10  User LED  [D_0402_1005Metric]  28.83 21.12 90 top
F1  500mA  [Fuse_0603_1608Metric]  86.02 14.86 180 top
F1#2  500mA  [Fuse_0603_1608Metric]  37.66 76.18 0 top
F1#3  500mA  [Fuse_0603_1608Metric]  67.23 14.86 180 top
F1#4  500mA  [Fuse_0603_1608Metric]  56.44 76.18 0 top
F1#5  500mA  [Fuse_0603_1608Metric]  75.22 76.18 0 top
F1#6  500mA  [Fuse_0603_1608Metric]  10.89 14.86 180 top
F1#7  500mA  [Fuse_0603_1608Metric]  29.67 14.86 180 top
F1#8  500mA  [Fuse_0603_1608Metric]  94 76.18 0 top
F1#9  500mA  [Fuse_0603_1608Metric]  48.45 14.86 180 top
F1#10  500mA  [Fuse_0603_1608Metric]  18.88 76.18 0 top
FB1  600R  [R_0402_1005Metric]  46.88 9.34 270 top
FB1#2  600R  [R_0402_1005Metric]  28.1 9.34 270 top
FB1#3  600R  [R_0402_1005Metric]  39.23 81.7 90 top
FB1#4  600R  [R_0402_1005Metric]  65.67 9.34 270 top
FB1#5  600R  [R_0402_1005Metric]  58.02 81.7 90 top
FB1#6  600R  [R_0402_1005Metric]  9.32 9.34 270 top
FB1#7  600R  [R_0402_1005Metric]  84.44 9.34 270 top
FB1#8  600R  [R_0402_1005Metric]  20.45 81.7 90 top
FB1#9  600R  [R_0402_1005Metric]  95.58 81.7 90 top
FB1#10  600R  [R_0402_1005Metric]  76.8 81.7 90 top
J1  USB_C_Receptacle_USB2.0  [GT-USB-7014C]  33.7 81.15 180 top
J1#2  USB_C_Receptacle_USB2.0  [GT-USB-7014C]  14.86 9.89 0 top
J1#3  USB_C_Receptacle_USB2.0  [GT-USB-7014C]  52.47 81.15 180 top
J1#4  USB_C_Receptacle_USB2.0  [GT-USB-7014C]  33.65 9.89 0 top
J1#5  USB_C_Receptacle_USB2.0  [GT-USB-7014C]  90.03 81.15 180 top
J1#6  USB_C_Receptacle_USB2.0  [GT-USB-7014C]  71.2 9.89 0 top
J1#7  USB_C_Receptacle_USB2.0  [GT-USB-7014C]  14.91 81.15 180 top
J1#8  USB_C_Receptacle_USB2.0  [GT-USB-7014C]  52.42 9.89 0 top
J1#9  USB_C_Receptacle_USB2.0  [GT-USB-7014C]  89.98 9.89 0 top
J1#10  USB_C_Receptacle_USB2.0  [GT-USB-7014C]  71.25 81.15 180 top
J2  helios-pinout  [helios]  33.67 67.26 0 top
J2#2  helios-pinout  [helios]  52.45 23.78 180 top
J2#3  helios-pinout  [helios]  14.89 67.26 0 top
J2#4  helios-pinout  [helios]  90.01 23.78 180 top
J2#5  helios-pinout  [helios]  52.45 67.26 0 top
J2#6  helios-pinout  [helios]  33.67 23.78 180 top
J2#7  helios-pinout  [helios]  71.23 67.26 0 top
J2#8  helios-pinout  [helios]  14.89 23.78 180 top
J2#9  helios-pinout  [helios]  71.23 23.78 180 top
J2#10  helios-pinout  [helios]  90.01 67.26 0 top
JP1  SolderJumper_2_Open  [SolderJumper-2_P1.3mm_Open_TrianglePad1.0x1.5mm]  76.69 18.74 90 top
JP1#2  SolderJumper_2_Open  [SolderJumper-2_P1.3mm_Open_TrianglePad1.0x1.5mm]  46.98 72.3 270 top
JP1#3  SolderJumper_2_Open  [SolderJumper-2_P1.3mm_Open_TrianglePad1.0x1.5mm]  65.77 72.3 270 top
JP1#4  SolderJumper_2_Open  [SolderJumper-2_P1.3mm_Open_TrianglePad1.0x1.5mm]  84.55 72.3 270 top
JP1#5  SolderJumper_2_Open  [SolderJumper-2_P1.3mm_Open_TrianglePad1.0x1.5mm]  28.2 72.3 270 top
JP1#6  SolderJumper_2_Open  [SolderJumper-2_P1.3mm_Open_TrianglePad1.0x1.5mm]  39.13 18.74 90 top
JP1#7  SolderJumper_2_Open  [SolderJumper-2_P1.3mm_Open_TrianglePad1.0x1.5mm]  95.47 18.74 90 top
JP1#8  SolderJumper_2_Open  [SolderJumper-2_P1.3mm_Open_TrianglePad1.0x1.5mm]  57.92 18.74 90 top
JP1#9  SolderJumper_2_Open  [SolderJumper-2_P1.3mm_Open_TrianglePad1.0x1.5mm]  9.43 72.3 270 top
JP1#10  SolderJumper_2_Open  [SolderJumper-2_P1.3mm_Open_TrianglePad1.0x1.5mm]  20.35 18.74 90 top
Q1  2N7002VC-  [SOT-563]  37.34 56.33 270 top
Q1#2  2N7002VC-  [SOT-563]  86.34 34.71 90 top
Q1#3  2N7002VC-  [SOT-563]  30 34.71 90 top
Q1#4  2N7002VC-  [SOT-563]  67.56 34.71 90 top
Q1#5  2N7002VC-  [SOT-563]  93.68 56.33 270 top
Q1#6  2N7002VC-  [SOT-563]  48.78 34.71 90 top
Q1#7  2N7002VC-  [SOT-563]  18.56 56.33 270 top
Q1#8  2N7002VC-  [SOT-563]  11.22 34.71 90 top
Q1#9  2N7002VC-  [SOT-563]  56.12 56.33 270 top
Q1#10  2N7002VC-  [SOT-563]  74.9 56.33 270 top
Q2  2N7002VC-  [SOT-563]  86.68 74.76 90 top
Q2#2  2N7002VC-  [SOT-563]  37 16.29 270 top
Q2#3  2N7002VC-  [SOT-563]  11.56 74.76 90 top
Q2#4  2N7002VC-  [SOT-563]  74.56 16.29 270 top
Q2#5  2N7002VC-  [SOT-563]  49.12 74.76 90 top
Q2#6  2N7002VC-  [SOT-563]  93.34 16.29 270 top
Q2#7  2N7002VC-  [SOT-563]  30.34 74.76 90 top
Q2#8  2N7002VC-  [SOT-563]  18.22 16.29 270 top
Q2#9  2N7002VC-  [SOT-563]  67.9 74.76 90 top
Q2#10  2N7002VC-  [SOT-563]  55.78 16.29 270 top
R1  10k  [R_0402_1005Metric]  74.85 54.66 0 top
R1#2  10k  [R_0402_1005Metric]  37.29 54.66 0 top
R1#3  10k  [R_0402_1005Metric]  11.27 36.39 180 top
R1#4  10k  [R_0402_1005Metric]  56.07 54.66 0 top
R1#5  10k  [R_0402_1005Metric]  30.05 36.39 180 top
R1#6  10k  [R_0402_1005Metric]  18.51 54.66 0 top
R1#7  10k  [R_0402_1005Metric]  86.39 36.39 180 top
R1#8  10k  [R_0402_1005Metric]  93.63 54.66 0 top
R1#9  10k  [R_0402_1005Metric]  48.83 36.39 180 top
R1#10  10k  [R_0402_1005Metric]  67.61 36.39 180 top
R2  10k  [R_0402_1005Metric]  35.77 16.92 270 top
R2#2  10k  [R_0402_1005Metric]  69.12 74.12 90 top
R2#3  10k  [R_0402_1005Metric]  12.79 74.12 90 top
R2#4  10k  [R_0402_1005Metric]  92.11 16.92 270 top
R2#5  10k  [R_0402_1005Metric]  50.34 74.12 90 top
R2#6  10k  [R_0402_1005Metric]  73.33 16.92 270 top
R2#7  10k  [R_0402_1005Metric]  54.56 16.92 270 top
R2#8  10k  [R_0402_1005Metric]  17 16.92 270 top
R2#9  10k  [R_0402_1005Metric]  31.56 74.12 90 top
R2#10  10k  [R_0402_1005Metric]  87.91 74.12 90 top
R3  10k  [R_0402_1005Metric]  16.76 55.23 90 top
R3#2  10k  [R_0402_1005Metric]  69.36 35.81 270 top
R3#3  10k  [R_0402_1005Metric]  50.58 35.81 270 top
R3#4  10k  [R_0402_1005Metric]  31.8 35.81 270 top
R3#5  10k  [R_0402_1005Metric]  88.14 35.81 270 top
R3#6  10k  [R_0402_1005Metric]  54.32 55.23 90 top
R3#7  10k  [R_0402_1005Metric]  73.1 55.23 90 top
R3#8  10k  [R_0402_1005Metric]  35.54 55.23 90 top
R3#9  10k  [R_0402_1005Metric]  13.02 35.81 270 top
R3#10  10k  [R_0402_1005Metric]  91.88 55.23 90 top
R4  51K  [R_0402_1005Metric]  66.67 74.56 90 top
R4#2  51K  [R_0402_1005Metric]  38.23 16.48 270 top
R4#3  51K  [R_0402_1005Metric]  29.12 74.56 90 top
R4#4  51K  [R_0402_1005Metric]  19.45 16.48 270 top
R4#5  51K  [R_0402_1005Metric]  85.45 74.56 90 top
R4#6  51K  [R_0402_1005Metric]  94.56 16.48 270 top
R4#7  51K  [R_0402_1005Metric]  47.9 74.56 90 top
R4#8  51K  [R_0402_1005Metric]  57 16.48 270 top
R4#9  51K  [R_0402_1005Metric]  10.34 74.56 90 top
R4#10  51K  [R_0402_1005Metric]  75.78 16.48 270 top
R5  51K  [R_0402_1005Metric]  38.73 15.14 0 top
R5#2  51K  [R_0402_1005Metric]  19.95 15.14 0 top
R5#3  51K  [R_0402_1005Metric]  84.95 75.91 180 top
R5#4  51K  [R_0402_1005Metric]  47.4 75.91 180 top
R5#5  51K  [R_0402_1005Metric]  95.06 15.14 0 top
R5#6  51K  [R_0402_1005Metric]  57.5 15.14 0 top
R5#7  51K  [R_0402_1005Metric]  9.84 75.91 180 top
R5#8  51K  [R_0402_1005Metric]  76.28 15.14 0 top
R5#9  51K  [R_0402_1005Metric]  66.17 75.91 180 top
R5#10  51K  [R_0402_1005Metric]  28.62 75.91 180 top
R6  51K  [R_0402_1005Metric]  46.87 74.56 270 top
R6#2  51K  [R_0402_1005Metric]  28.09 74.56 270 top
R6#3  51K  [R_0402_1005Metric]  9.31 74.56 270 top
R6#4  51K  [R_0402_1005Metric]  20.47 16.48 90 top
R6#5  51K  [R_0402_1005Metric]  58.03 16.48 90 top